# Altium PCB BEE_BOARD.PcbDoc (part 3 of 3)
Units mm, origin at the board's own origin, x right, y up, seen from the top; angles counter-clockwise.
Board outline 57.11 x 51.96 mm, 8 copper layers (Top, GND_1, Signal_1, GND_2, PWR, Signal_2, GND_3, Bottom), stack 1.6 mm thick; 171 components, 98 nets, 601 pads, 290 vias.
Unrouted connection lines stored in the file: 8.
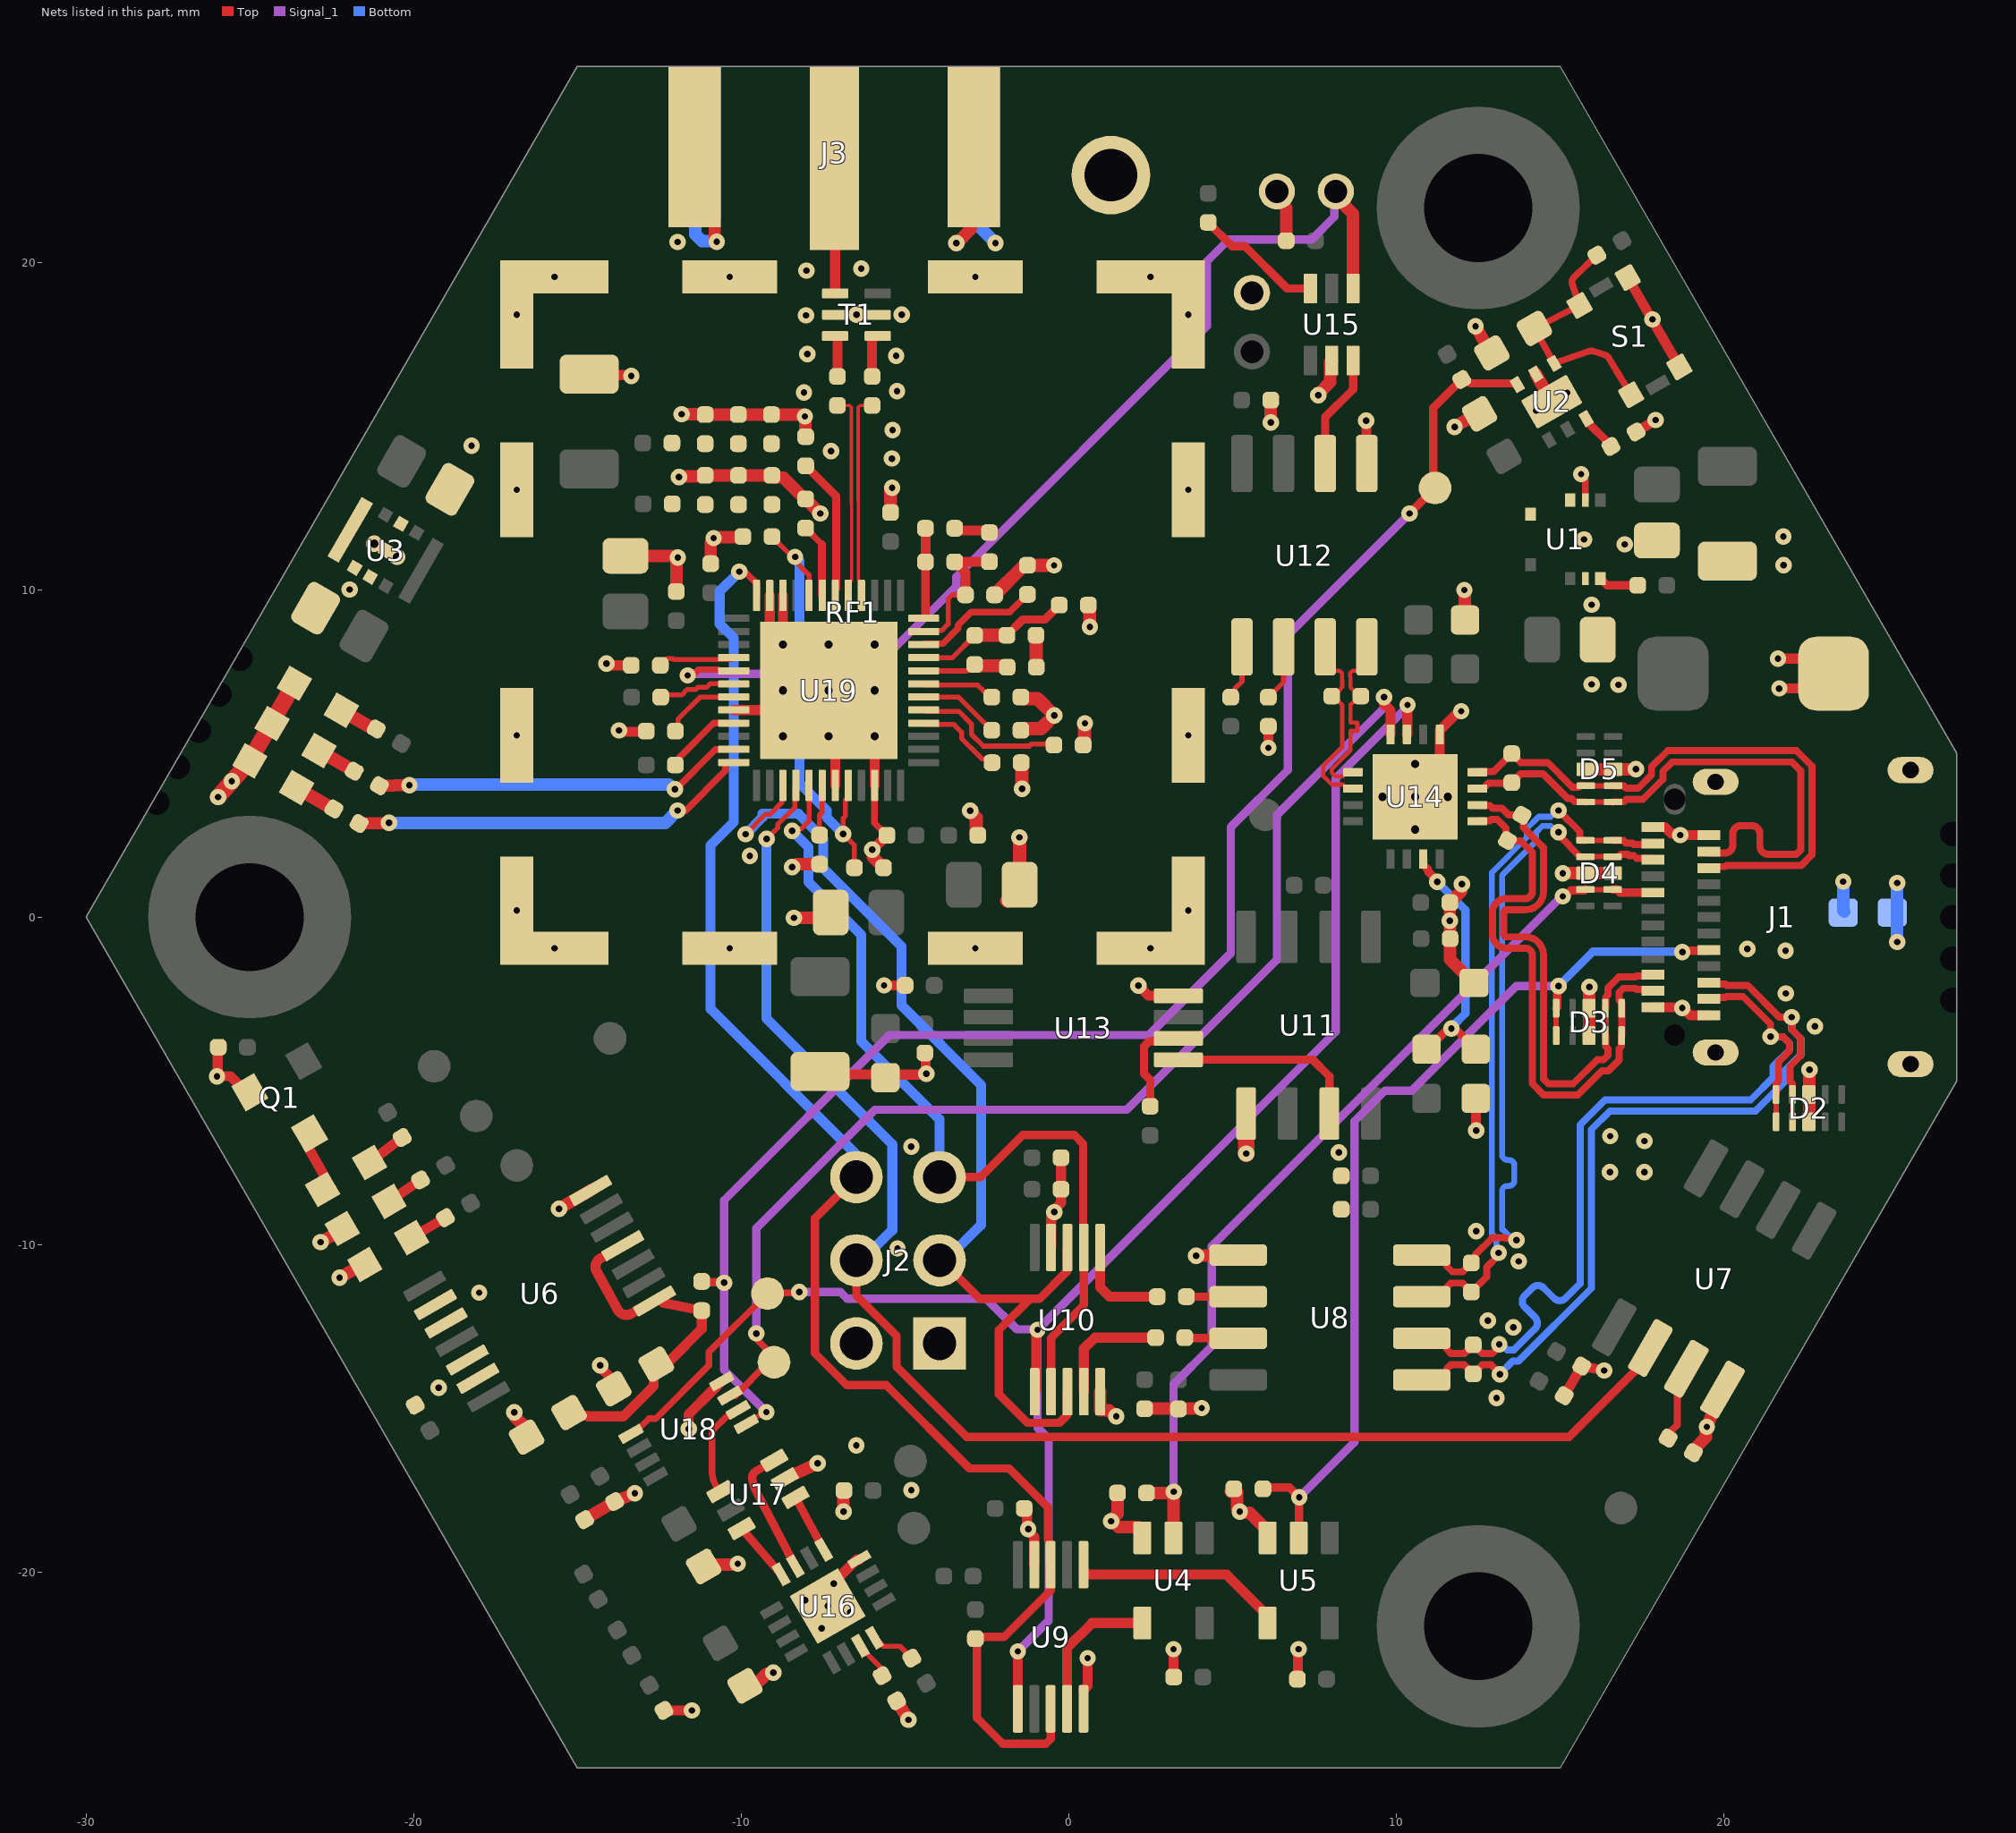
[diagram p9: the nets of this part, all layers, seen from the top]

## Via types
v1: diameter 0.5, hole 0.2, Top to Bottom, tented both sides, 274 vias
v2: diameter 0.5, hole 0.25, Top to Bottom, tented both sides, 16 vias

## Nets (pads, with @x,y where several pads share a name; then routed paths per layer and width w, separated by ;. In a path a pad name is that pad's centre, name@x,y a point inside that pad or via, vN(x,y) a via of type N, cw(c..) or ccw(c..) an arc to the next point about the centre after c; other vN are vias at no path point) (continued)
GND: C1.1 C2.2 C3.1 C4.2 C5.1 C6.1 C7.1 C8.1 C9.1 C10.1 C11.1 C12.2 C13.1 C14.1 C15.1 C16.1 C17.1 C19.2 C20.2 C21.1 C22.1 C23.1 C24.2 C25.1 C26.1 C27.2 C28.1 C29.1 C30.1 C31.2 C32.2 C33.2 C34.1 C35.1 C36.1 C37.1 C38.1 C39.1 C40.1 C41.1 C42.1 C43.1 C44.1 C45.1 C46.1 C47.1 C48.1 C49.1 C50.1 C51.1 C52.1 C53.1 C54.1 C55.1 C56.1 C57.1 C58.1 C61.1 C62.1 C63.1 C64.2 C65.1 C66.1 CLK.1 D1.2 D2.3 D2.8 D3.3 D3.8 D4.3 D4.8 D5.3 D5.8 D6.K D7.K D9.K D10.K D11.K GND.1 J1.A1 J1.A12 J1.B1 J1.B12 J2.1 J2.2 J3.2 J3.3 J3.4 J3.5 Q1.2 R3.2 R7.1 R9.2 R12.2 R14.1 R16.1 R20.2 R26.1 R27.2 R31.1 R35.1 RF1.1 RS.1 S1.1 S1.2 SYNC.1 T1.2 T1.5 U1.2 U1.5 U1.7 U2.5 U2.7 U3.2 U3.5 U3.9 U4.3 U5.3 U6.7 U6.9 U6.10 U6.12 U6.13 U7.4 U8.5 U9.5 U9.9 U10.5 U10.9 U11.5 U12.5 U13.4 U14.5 U14.17 U15.2 U16.12 U16.17 U17.2 U18.4 U19.22 U19.23 U19.32 U19.43 U19.46 U19.49 | length 147
  Top w0.203: U19.46@-5.926,4.024 -5.926,2.875 C49.1@-5.548,2.497 ; v1(15.645,13.528) 15.645,13.488 15.77,13.363 U1.2@15.77,12.734
  Top w0.305: R3.2@-25.961,-3.971 -25.981,-3.991 -25.981,-4.84 v1(-26.001,-4.86) -25.596,-4.86 -25.107,-5.349 Q1.2@-24.998,-5.349 ; D7.K@-22.434,-9.509 D7.K@-22.176,-9.509 ; C19.2@-16.549,-15.878 C19.2@-16.543,-15.871 ; C36.1@-14.638,16.582 -14.609,16.553 -13.384,16.553 v1(-13.355,16.525) ; v1(-14.306,-13.685) -14.306,-13.737 -13.888,-14.156 C20.2@-13.888,-14.4 ; v1@-14.147,7.688 C64.2@-13.355,7.688 ; v1@-13.716,5.662 -12.867,5.662 C58.1@-12.849,5.68 ; v1@-13.698,5.702 v1@-13.68,5.72 ; R31.1@-12.355,-24.222 v1(-11.505,-24.222) ; v1(-11.602,-15.627) -11.602,-15.179 -10.875,-14.452 -10.854,-14.44 U18.4@-10.591,-14.177 ; C33.2@-11.146,-19.826 C33.2@-11.09,-19.77 ; U19.32@-10.226,6.324 -7.926,6.324 v2(-7.326,6.924) ; v1@-10.129,-19.77 v1(-10.102,-19.742) ; C32.2@-9.883,-23.473 C32.2@-9.595,-23.473 ; v1@-9.222,-23.099 -9.047,-23.099 v1(-9.019,-23.071) ; U19.23@-9.126,9.824 -9.126,8.724 v2(-8.726,8.324) ; U19.22@-8.726,9.824 v2(-8.726,8.324) ; v1(-8.445,1.525) -8.393,1.525 v1@-8.302,1.616 ; C40.1@-7.591,-4.713 -7.498,-4.806 -5.504,-4.806 -5.503,-4.807 -4.413,-4.807 -4.369,-4.763 -4.369,-4.171 C28.1@-4.392,-4.148 ; C45.1@-7.424,-0.02 C45.1@-7.264,0.14 ; v1(-7.355,-21.037) -7.355,-20.504 -6.463,-19.612 U16.12@-6.388,-19.612 ; U19.43@-7.126,4.024 U19.49@-7.126,6.724 ; R26.1@-6.873,-17.533 cw(c-6.835,-17.533) R26.1@-6.862,-17.506 ; v1(-5.998,2.062) -5.983,2.062 C49.1@-5.548,2.497 ; U19.46@-5.926,4.024 v2(-5.926,5.524) U19.49@-7.126,6.724 ; v1(-5.638,-2.083) C26.1@-4.995,-2.083 ; RF1.1@-3.505,-1.156 RF1.1@-3.176,-0.826 ; C16.1@-1.358,-18.055 -1.273,-18.139 -1.273,-18.646 v1(-1.236,-18.684) -1.236,-18.736 -1.052,-18.92 -1.052,-19.773 U9.9@-1.05,-19.775 ; U10.9@-0.538,-10.091 -0.536,-10.088 -0.536,-9.102 v1(-0.44,-9.006) -0.44,-8.927 -0.234,-8.721 C21.1@-0.234,-7.346 ; U9.5@0.452,-23.602 0.58,-23.475 v1(0.58,-22.625) ; v1(2.127,-2.087) 2.436,-2.397 3.341,-2.397 U13.4@3.348,-2.403 ; v1(2.5,-0.95) 3,-0.95 RF1.1@3.348,-1.298 ; v1(3.199,-22.354) 3.202,-22.358 3.202,-23.199 C10.1@3.206,-23.202 ; v1(3.889,-10.34) v1@3.9,-10.33 ; U8.5@5.164,-10.33 U8.5@5.175,-10.319 ; v1(6.095,5.167) R20.2@6.095,5.827 ; C25.1@6.169,15.789 C25.1@6.17,15.788 ; v1@6.17,15.103 v1(6.171,15.102) ; C9.1@6.982,-23.268 7.002,-23.248 7.002,-22.374 v1(7.021,-22.354) ; v1(9.08,15.162) 9.09,15.152 9.09,13.86 U12.5@9.1,13.85 ; v2(10.575,3.675) 10.575,3.959 11.325,4.709 U14.5@11.325,5.575 11.325,5.695 11.88,6.25 11.945,6.25 v1(11.983,6.287) ; v1(12.078,9.989) v1@12.089,9.978 ; R16.1@12.089,9.086 R16.1@12.1,9.074 ; R14.1@12.425,-5.535 12.433,-5.542 12.433,-6.51 v1(12.44,-6.518) ; C4.2@12.543,15.368 C4.2@12.644,15.468 ; C11.1@15.128,-14.613 C14.1@15.662,-13.71 v1(16.347,-13.844) ; C5.1@16.151,8.475 C5.1@16.224,8.402 ; S1.1@17.067,19.529 17.91,18.07 S1.2@18.642,16.801 ; C6.1@17.32,14.816 v1(17.919,15.18) ; J1.A1@17.84,-2.75 17.842,-2.752 18.683,-2.752 18.706,-2.775 18.759,-2.775 18.981,-2.998 19.538,-2.998 J1.B12@19.54,-3 ; J1.A12@17.84,2.75 17.842,2.748 18.202,2.748 18.406,2.543 18.635,2.543 v1(18.672,2.505) 18.761,2.505 18.762,2.507 19.245,2.507 19.25,2.502 J1.B1@19.342,2.502 ; C3.1@17.902,11.561 C3.1@17.958,11.505 ; C1.1@20.096,10.881 C1.1@20.106,10.871 ; v1(21.655,7.895) 22.89,7.895 D1.2@23.35,7.436 22.897,6.983 v1(21.691,6.983) ; v2(-8.726,8.324) v2(-7.326,6.924) ; v2(-7.326,6.924) U19.49@-7.126,6.724
  Top w0.381: v1(-22.841,-9.926) -22.343,-9.639 D7.K@-22.176,-9.509 ; v1(-22.261,-11.01) -21.688,-10.68 D6.K@-21.487,-10.608 ; v1(-16.925,-15.125) -16.902,-15.147 -16.902,-15.258 -16.549,-15.612 C19.2@-16.549,-15.878 ; v1(-15.561,-8.904) U6.7@-14.592,-8.343 ; C34.1@-14.778,-18.398 C35.1@-13.862,-17.845 v1(-13.245,-17.596) ; C62.1@-13.532,11.033 -12.027,11.033 -11.98,10.986 C66.1@-11.98,9.945 ; v1(-11.903,13.435) -11.876,13.461 -11.124,13.461 C48.1@-11.097,13.488 C51.1@-10.078,13.488 C53.1@-9.059,13.488 -8.995,13.424 -8.714,13.424 -8.121,12.832 -8.095,12.832 -7.587,12.324 v1(-7.581,12.324) ; v1(-11.816,15.358) -11.81,15.352 -11.103,15.352 C42.1@-11.097,15.346 C46.1@-10.085,15.346 C50.1@-9.074,15.346 -8.151,15.346 -8.094,15.29 v1(-8.055,15.29) -8.041,15.276 -8.041,14.685 C52.1@-8.027,14.671 ; J3.3@-11.416,23.518 -11.416,21.285 -11.398,21.268 -10.816,21.268 -10.806,21.258 -10.806,20.717 -10.744,20.655 v1(-10.744,20.623) ; C33.2@-11.09,-19.77 v1@-10.129,-19.77 ; C41.1@-10.928,10.795 -10.928,11.434 -10.84,11.523 v1(-10.84,11.576) -10.818,11.598 -9.97,11.598 C56.1@-9.948,11.62 ; C32.2@-9.595,-23.473 v1@-9.222,-23.099 ; U17.2@-8.664,-17.155 -8.478,-17.058 v1(-7.666,-16.678) ; v1(-8.39,-0.02) C45.1@-7.424,-0.02 ; v1@-8.302,1.616 C61.1@-7.606,1.616 ; v1(-6.873,-18.151) R26.1@-6.873,-17.533 ; v1(-5.998,2.062) -5.975,2.039 -5.975,1.831 C63.1@-5.652,1.508 ; R27.2@-5.254,-23.931 v1(-4.889,-24.51) ; v1(-3.434,20.58) -3.41,20.58 -2.983,21.007 -2.983,23.431 J3.2@-2.896,23.518 ; U10.5@0.962,-14.491 0.962,-15.061 0.964,-15.063 1.233,-15.063 1.412,-15.242 v1(1.451,-15.242) ; R12.2@1.488,-17.587 R12.2@1.49,-17.584 1.49,-18.211 1.295,-18.406 v1(1.295,-18.445) 1.335,-18.445 1.517,-18.628 2.127,-18.628 2.249,-18.75 U4.3@2.249,-18.954 ; C13.1@2.317,-15.01 4.043,-15.01 v1(4.06,-14.993) ; v1@3.9,-10.33 U8.5@5.164,-10.33 ; R9.2@4.955,-17.545 R9.2@5.042,-17.457 5.144,-17.559 5.144,-18.038 5.221,-18.115 v1(5.221,-18.154) 5.249,-18.182 5.524,-18.182 6.071,-18.729 U5.3@6.071,-18.954 ; v1@6.17,15.103 C25.1@6.17,15.788 ; SYNC.1@6.354,22.158 6.354,21.943 6.641,21.655 C31.2@6.641,20.656 ; v1(7.62,15.936) 7.62,15.975 7.983,16.339 7.983,16.949 U15.2@8.03,16.997 ; C30.1@11.636,0.444 11.983,0.791 11.983,0.987 v1(12.006,1.009) ; C30.1@11.64,0.44 11.634,0.434 11.634,-0.108 v1(11.632,-0.11) 11.638,-0.117 11.638,-0.653 C29.1@11.645,-0.66 11.645,-1.293 12.362,-2.011 C27.2@12.375,-2.011 ; v1(11.78,14.972) 12.315,15.281 C4.2@12.543,15.368 ; R16.1@12.089,9.086 v1@12.089,9.978 ; v1(12.418,18.039) 12.774,17.423 C2.2@12.918,17.228 ; U2.5@14.258,16.585 14.59,16.009 U2.7@14.745,15.741 ; v1(15.084,1.339) 15.086,1.342 16.607,1.342 D4.3@16.609,1.344 ; D5.8@15.791,4.514 v1@17.311,4.514 ; D3.8@15.881,-3.615 15.889,-3.608 15.889,-2.138 v1(15.896,-2.13) ; v1@16.347,-13.876 v1(16.347,-13.844) ; R7.1@19.068,-16.354 19.068,-16.275 19.458,-15.884 19.458,-15.586 v1(19.481,-15.563) U7.4@19.955,-14.427 ; D2.3@22.595,-6.251 22.604,-6.241 22.604,-4.669 v1(22.616,-4.657)
  Top w0.406: C47.1@-5.437,12.356 -5.437,13.051 -5.389,13.099 v1(-5.389,13.111) ; v1(-3.009,3.247) -3.009,3.222 -2.826,3.038 -2.826,2.548 C43.1@-2.775,2.497 ; C57.1@-2.262,9.84 -1.41,10.692 -1.311,10.692 C44.1@-1.26,10.742 v1(-0.448,10.742) ; C39.1@-1.893,0.495 -1.84,0.495 -1.497,0.838 C39.1@-1.497,0.991 -1.501,0.994 -1.501,2.431 v1(-1.504,2.435) ; C37.1@-1.459,5.705 -1.408,5.756 -0.843,5.756 v1(-0.44,6.159) -0.951,6.671 -1.408,6.671 C38.1@-1.459,6.721 ; C65.1@-1.45,4.717 -1.428,4.695 -1.428,3.929 v1(-1.419,3.92) ; R35.1@0.441,5.255 0.487,5.302 0.487,5.909 v1(0.496,5.917) ; C55.1@0.601,9.528 0.64,9.489 0.64,8.87 v1(0.649,8.862)
  Top w0.5: v1(-25.969,3.667) -25.484,4.22 D9.K@-24.999,4.774 -24.337,5.923 D11.K@-23.635,7.141
  Top w0.508: v1(5.418,-7.22) U11.5@5.418,-6
  Bottom w0.305: v1@12.425,-6.502 v1(12.44,-6.518)
  Bottom w0.381: J3.5@-11.416,23.518 -11.398,23.5 -11.398,20.846 -11.198,20.646 -10.767,20.646 v1(-10.744,20.623) ; J3.4@-2.896,23.518 -2.849,23.471 -2.849,21.199 v1(-2.236,20.585) v1(-2.236,20.585) ; v1(23.644,1.086) 23.644,0.2 RS.1@23.681,0.163
  other v1: -7.538,-21.72 -6.672,-21.22 -8.038,-20.853 -7.172,-20.353 -4.801,-17.5 -6.482,-16.132 13.062,-14.685 -19.234,-14.369 13.575,-12.522 12.799,-12.323 -17.999,-11.468 13.739,-10.511 -5.228,-10.116 12.436,-9.59 16.524,-7.788 17.576,-7.788 8.248,-7.182 -4.806,-7.01 17.576,-6.838 16.533,-6.688 -4.346,-4.78 22.776,-3.333 18.73,-2.775 21.895,-2.329 21.882,-1.024 20.714,-0.971 -15.7,-0.95 -10.35,-0.95 -2.85,-0.95 -16.85,0.2 3.65,0.2 -9.733,1.874 -25.55,4.15 17.313,4.516 -16.85,5.55 3.65,5.55 -13.725,5.702 16.787,7.094 15.962,7.11 -14.111,7.745 15.961,9.539 -21.952,10.005 21.822,10.747 -11.932,10.978 16.972,11.383 15.735,11.534 21.814,11.624 -16.85,13.05 3.65,13.05 -5.401,14.003 -7.259,14.232 -18.227,14.394 -5.378,14.873 14.269,15.466 -8.081,16.018 15.221,16.016 -5.242,16.065 -5.269,17.144 -7.982,17.191 17.82,18.253 -8.018,18.375 -16.85,18.4 -6.481,18.393 -5.095,18.393 3.65,18.4 -15.7,19.55 -10.35,19.55 -2.85,19.55 2.5,19.55 -8.008,19.742 -6.332,19.805 -11.942,20.618
  other v2: 10.575,2.675 9.575,3.675 11.575,3.675 10.575,4.675 -8.726,5.524 -7.326,5.524 -8.726,6.924 -5.926,6.925 -7.326,8.324 -5.926,8.324 -20.506,11.003 -21.199,11.403
LED_RX: R33.2 U19.36 | length 12.3
  Top w0.203: v1(-11.942,3.254) -11.696,3.254 -10.475,4.474 -10.475,4.69 -10.441,4.724 U19.36@-10.226,4.724
  Top w0.381: R33.2@-21.662,2.859 v1(-20.747,2.878)
  Bottom w0.381: v1(-20.747,2.878) -12.318,2.878 v1(-11.942,3.254)
LED_TX: R32.2 U19.35 | length 11.4
  Top w0.203: v1(-12.018,3.902) -11.999,3.902 -10.786,5.115 -10.234,5.115 U19.35@-10.226,5.124
  Top w0.381: R32.2@-21.043,4.012 v1(-20.127,4.032)
  Bottom w0.381: v1(-20.127,4.032) -20.109,4.05 -12.199,4.05 -12.051,3.902 v1(-12.018,3.902)
NetC2_1: C2.1 R40.1 S1.3 S1.4 U2.4 | length 7.8
  Top w0.203: 16.018,17.281 ccw(c15.956,17.087) 15.89,17.279 U2.4@14.82,16.91 C2.1@14.216,17.977 S1.3@15.595,18.679 15.376,19.328 cw(c15.569,19.393) 15.427,19.539 R40.1@16.123,20.214 ; 16.018,17.281 16.369,17.167 cw(c16.307,16.974) 16.48,17.08 S1.4@17.17,15.951
NetC6_2: C6.2 U2.3 | length 1.2
  Top w0.152: U2.3@15.795,15.16 U2.3@15.795,15.221 ; C6.2@16.55,14.371 C6.2@16.55,14.405
  Top w0.254: U2.3@15.795,15.16 C6.2@16.55,14.405
NetC19_1: C19.1 C20.1 R8.1 U6.1 U6.4 | length 10.9
  Top w0.305: C19.1@-15.251,-15.128 -15.155,-15.224 -14.701,-15.224 -14.679,-15.245 -13.598,-15.245 -12.673,-14.321 -12.673,-13.734 -12.481,-13.542 -12.171,-13.542 -11.203,-12.574 R8.1@-11.203,-12.014 -11.305,-11.993 -11.307,-11.993 -12.361,-11.778 -12.484,-11.655 U6.1@-12.642,-11.72 -13.391,-12.128 -13.434,-12.138 cw(c-13.503,-11.841) -13.771,-11.986 -14.408,-10.824 cw(c-14.141,-10.678) -14.299,-10.417 U6.4@-14.12,-10.308
NetC56_2: C56.2 C63.2 U19.20 U19.44 | length 14.2
  Top w0.152: C56.2@-9.059,11.62 -8.44,11.001 v1(-8.352,11.001) -8.399,11.001 -8.439,10.961 -7.926,10.448 U19.20@-7.926,9.824 ; U19.44@-6.726,4.024 -6.726,3.659 -6.812,3.572 -6.812,3.093 -6.883,3.022 v1(-6.883,2.538) -6.541,2.196 C63.2@-6.541,1.508
  Bottom w0.305: v1(-8.352,11.001) -8.222,10.871 -8.222,4.088 -7.385,3.251 -7.385,3.04 v1(-6.883,2.538)
NetC58_2: C58.2 U19.31 | length 2.4
  Top w0.152: C58.2@-11.96,5.68 -11.928,5.713 -11.928,6.038 -11.248,6.718 -10.923,6.718 -10.917,6.724 U19.31@-10.226,6.724
NetC59_1: C59.1 T1.4 | length 1.4
  Top w0.305: C59.1@-6.001,16.513 -6.001,17.74 -5.998,17.743 T1.4@-5.831,17.743
NetC60_1: C60.1 T1.3 | length 1.3
  Top w0.305: T1.3@-7.131,17.743 -7.061,17.743 -7.059,17.74 C60.1@-7.059,16.513
NetC61_2: C61.2 U19.42 | length 1.6
  Top w0.152: C61.2@-7.606,2.505 -7.606,3.128 -7.526,3.208 U19.42@-7.526,4.024
NetC64_1: C64.1 U19.28 | length 2.4
  Top w0.152: C64.1@-12.466,7.688 -12.265,7.889 -12.083,7.889 -12.055,7.861 -10.289,7.861 U19.28@-10.226,7.924
NetC65_2: C65.2 U19.4 | length 2.7
  Top w0.152: U19.4@-4.403,5.917 -4.37,5.884 -3.505,5.884 -3.272,5.65 -3.272,5.456 -2.734,4.918 -2.655,4.839 -2.461,4.839 C65.2@-2.339,4.717
NetC67_2: C67.2 R37.2 U19.12 | length 2.8
  Top w0.152: U19.12@-4.403,9.117 U19.12@-4.371,9.15
  Top w0.254: U19.12@-4.371,9.15 C67.2@-4.371,10.849
  Top w0.305: C67.2@-4.371,10.849 R37.2@-4.371,11.874
NetC68_2: C68.2 R36.2 | length 1
  Top w0.152: C68.2@-0.997,8.608 C68.2@-0.993,8.604 ; R36.2@-0.993,7.638 R36.2@-0.989,7.634
  Top w0.406: R36.2@-0.993,7.638 C68.2@-0.993,8.604
NetC69_1: C69.1 R36.1 U19.8 | length 2.6
  Top w0.152: U19.8@-4.403,7.517 -3.11,7.517 -2.912,7.715 C69.1@-2.871,7.715 C69.1@-2.831,7.675 ; R36.1@-1.918,7.675 R36.1@-1.878,7.634
  Top w0.406: C69.1@-2.831,7.675 R36.1@-1.918,7.675
NetC70_2: C70.2 R37.1 | length 1.1
  Top w0.152: R37.1@-3.482,11.874 R37.1@-3.416,11.808 ; C70.2@-2.486,11.808 C70.2@-2.421,11.743
  Top w0.305: R37.1@-3.416,11.808 C70.2@-2.486,11.808
NetD6_A: D6.A R1.1 | length 1.2
  Top w0.305: D6.A@-20.058,-9.783 R1.1@-19.028,-9.177
NetD7_A: D7.A R2.1 | length 1.2
  Top w0.305: D7.A@-20.747,-8.684 R2.1@-19.789,-8.025
NetD8_A: D8.A R4.2 | length 1.3
  Top w0.305: D8.A@-21.345,-7.493 R4.2@-20.347,-6.729
NetD8_K: D8.K Q1.3 | length 1.9
  Top w0.305: Q1.3@-23.175,-6.606 -23.241,-6.988 -22.684,-7.98 D8.K@-22.774,-8.318
NetD9_A: D9.A R33.1 | length 1.2
  Top w0.406: D9.A@-23.527,3.924 R33.1@-22.451,3.294
NetD10_A: D10.A R32.1 | length 1.2
  Top w0.406: D10.A@-22.889,5.087 R32.1@-21.813,4.457
NetD11_A: D11.A R34.1 | length 1.2
  Top w0.406: D11.A@-22.206,6.316 R34.1@-21.13,5.687
NetJ1_1: J1.1 J1.2 J1.3 J1.4 RS.2 | length 3
  Top w0.305: J1.1@19.75,-4.13 J1.1@20.04,-4.13
  Bottom w0.381: v1(25.289,-0.761) v1(25.289,1.043) RS.2@25.289,0.139
NetJ3_1: J3.1 T1.1 | length 4.1
  Top w0.305: J3.1@-7.156,23.168 -7.131,23.143 T1.1@-7.131,19.043
NetR7_2: R7.2 U7.3 | length 2.5
  Top w0.216: R7.2@18.224,-15.909 18.224,-15.858 18.58,-15.502 18.58,-14.067 U7.3@18.855,-13.792
  Top w0.381: R7.2@18.224,-15.909 R7.2@18.298,-15.909
NetR10_1: R10.1 U10.4 | length 3.6
  Top w0.305: U10.4@0.462,-14.491 0.462,-13.175 0.797,-12.841 R10.1@2.653,-12.841
NetR10_2: R10.2 U8.7 | length 1.6
  Top w0.152: R10.2@3.542,-12.841 R10.2@3.551,-12.85 ; U8.7@5.166,-12.85 U8.7@5.175,-12.859
  Top w0.254: R10.2@3.551,-12.85 U8.7@5.166,-12.85
NetR11_1: R11.1 U10.6 | length 3.1
  Top w0.305: U10.6@0.962,-10.091 0.962,-11.301 1.25,-11.589 R11.1@2.705,-11.589
NetR11_2: R11.2 U8.6 | length 1.6
  Top w0.254: R11.2@3.594,-11.589 U8.6@5.175,-11.589
NetR19_1: R19.1 U12.1 | length 1.7
  Top w0.152: R19.1@4.948,6.716 5.078,6.847 5.078,6.983 5.29,7.194 U12.1@5.29,8.25
NetR20_1: R20.1 U12.2 | length 1.7
  Top w0.152: R20.1@6.095,6.716 6.56,7.181 U12.2@6.56,8.25
NetR23_1: R23.1 U13.2 | length 3.1
  Top w0.254: R23.1@2.488,-5.775 2.488,-4.975 2.298,-4.785 2.298,-3.95 2.447,-3.801 3.25,-3.801 U13.2@3.348,-3.703
NetR24_1: R24.1 U15.6 | length 4
  Top w0.254: R24.1@4.261,21.214 4.99,20.484 5.382,20.484 6.67,19.197 U15.6@7.381,19.197
NetR27_1: R27.1 U16.7 | length 1.2
  Top w0.152: U16.7@-6.364,-22.254 -6.364,-22.287 -5.765,-22.886 -5.765,-23.095 R27.1@-5.699,-23.161
NetR28_1: R28.1 U16.8 | length 1.4
  Top w0.152: U16.8@-5.931,-22.004 -5.918,-22.004 -5.657,-22.265 -5.151,-22.265 R28.1@-4.791,-22.625
NetR35_2: R35.2 U19.5 | length 4.6
  Top w0.152: U19.5@-4.403,6.317 -4.37,6.284 -3.357,6.284 -2.967,5.893 -2.967,5.582 -2.608,5.223 -1.2,5.223 -1.142,5.28 -0.473,5.28 R35.2@-0.448,5.255
NetR38_2: R38.2 U19.30 | length 2.4
  Top w0.152: R38.2@-12.452,6.717 -12.384,6.785 -11.814,6.785 -11.644,6.956 -11.38,6.956 -11.313,7.022 -11.049,7.022 -10.948,7.124 U19.30@-10.226,7.124
NetR39_2: R39.2 U19.33 | length 2.4
  Top w0.203: R39.2@-12.008,4.647 -11.887,4.768 -11.887,4.877 -10.84,5.924 U19.33@-10.226,5.924
NetR43_1: R43.1 U1.6 | length 1.2
  Top w0.254: U1.6@16.233,10.334 16.233,10.296 16.268,10.261 16.306,10.261 16.433,10.133 R43.1@17.369,10.133
NetU1_3: U1.3 U1.8
NetU3_1: U3.1 U3.7
NetU4_4: U4.4 U9.4 | length 4.5
  Top w0.305: U9.4@-0.05,-24.175 -0.05,-22.313 0.708,-21.554 U4.4@2.249,-21.554
NetU5_4: U5.4 U9.6 | length 6.4
  Top w0.305: U9.6@0.462,-19.958 0.58,-20.076 4.818,-20.076 6.071,-21.329 U5.4@6.071,-21.554
NetU11_7: U11.7 U13.1 | length 6
  Top w0.254: U13.1@3.348,-4.353 7.451,-4.353 7.958,-4.861 U11.7@7.958,-6